# Altium PCB AllamehTabatabaei2024.PcbDoc
Units mm, origin at the board's own origin, x right, y up, seen from the top; angles counter-clockwise.
Board outline 178.5 x 119.94 mm, 2 copper layers (Top Layer, Bottom Layer); 86 components, 122 nets, 454 pads, 26 vias.
Unrouted connection lines stored in the file: 157.
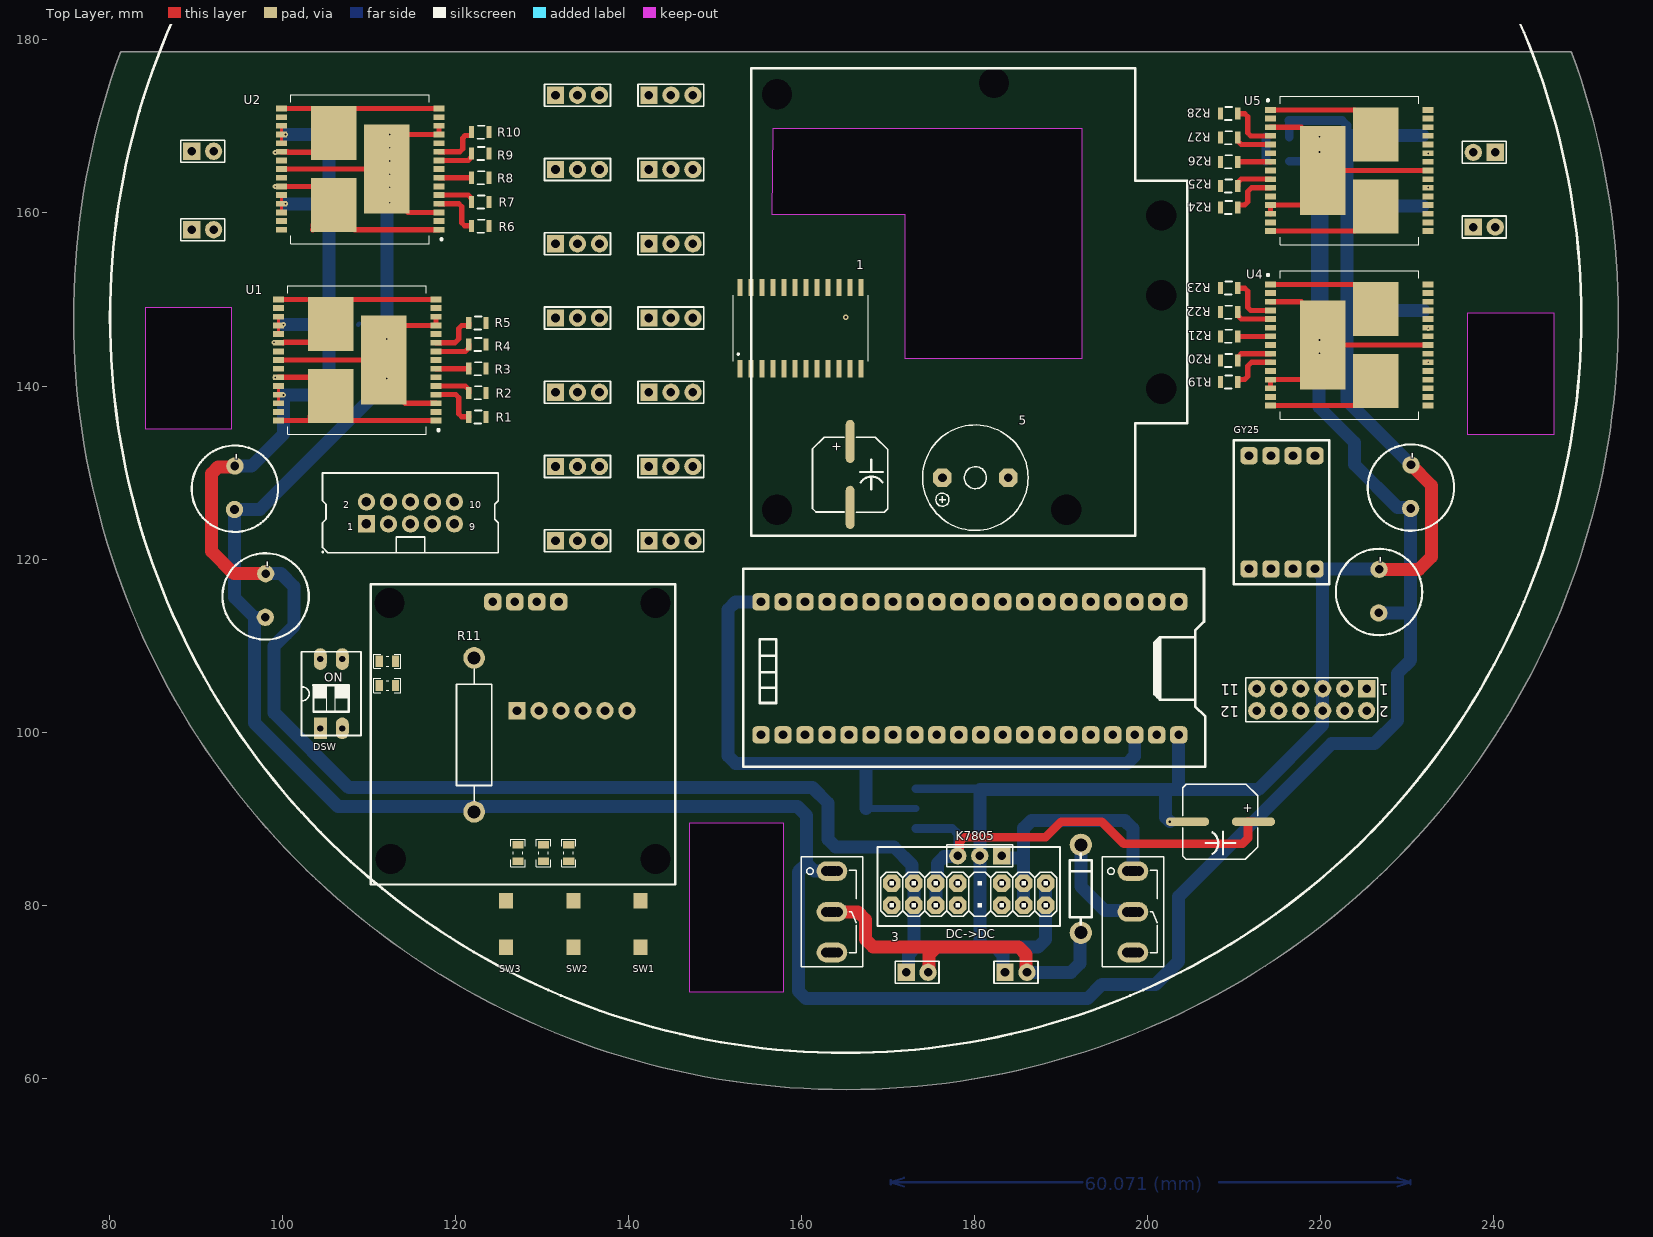
[diagram p0: Top Layer view]
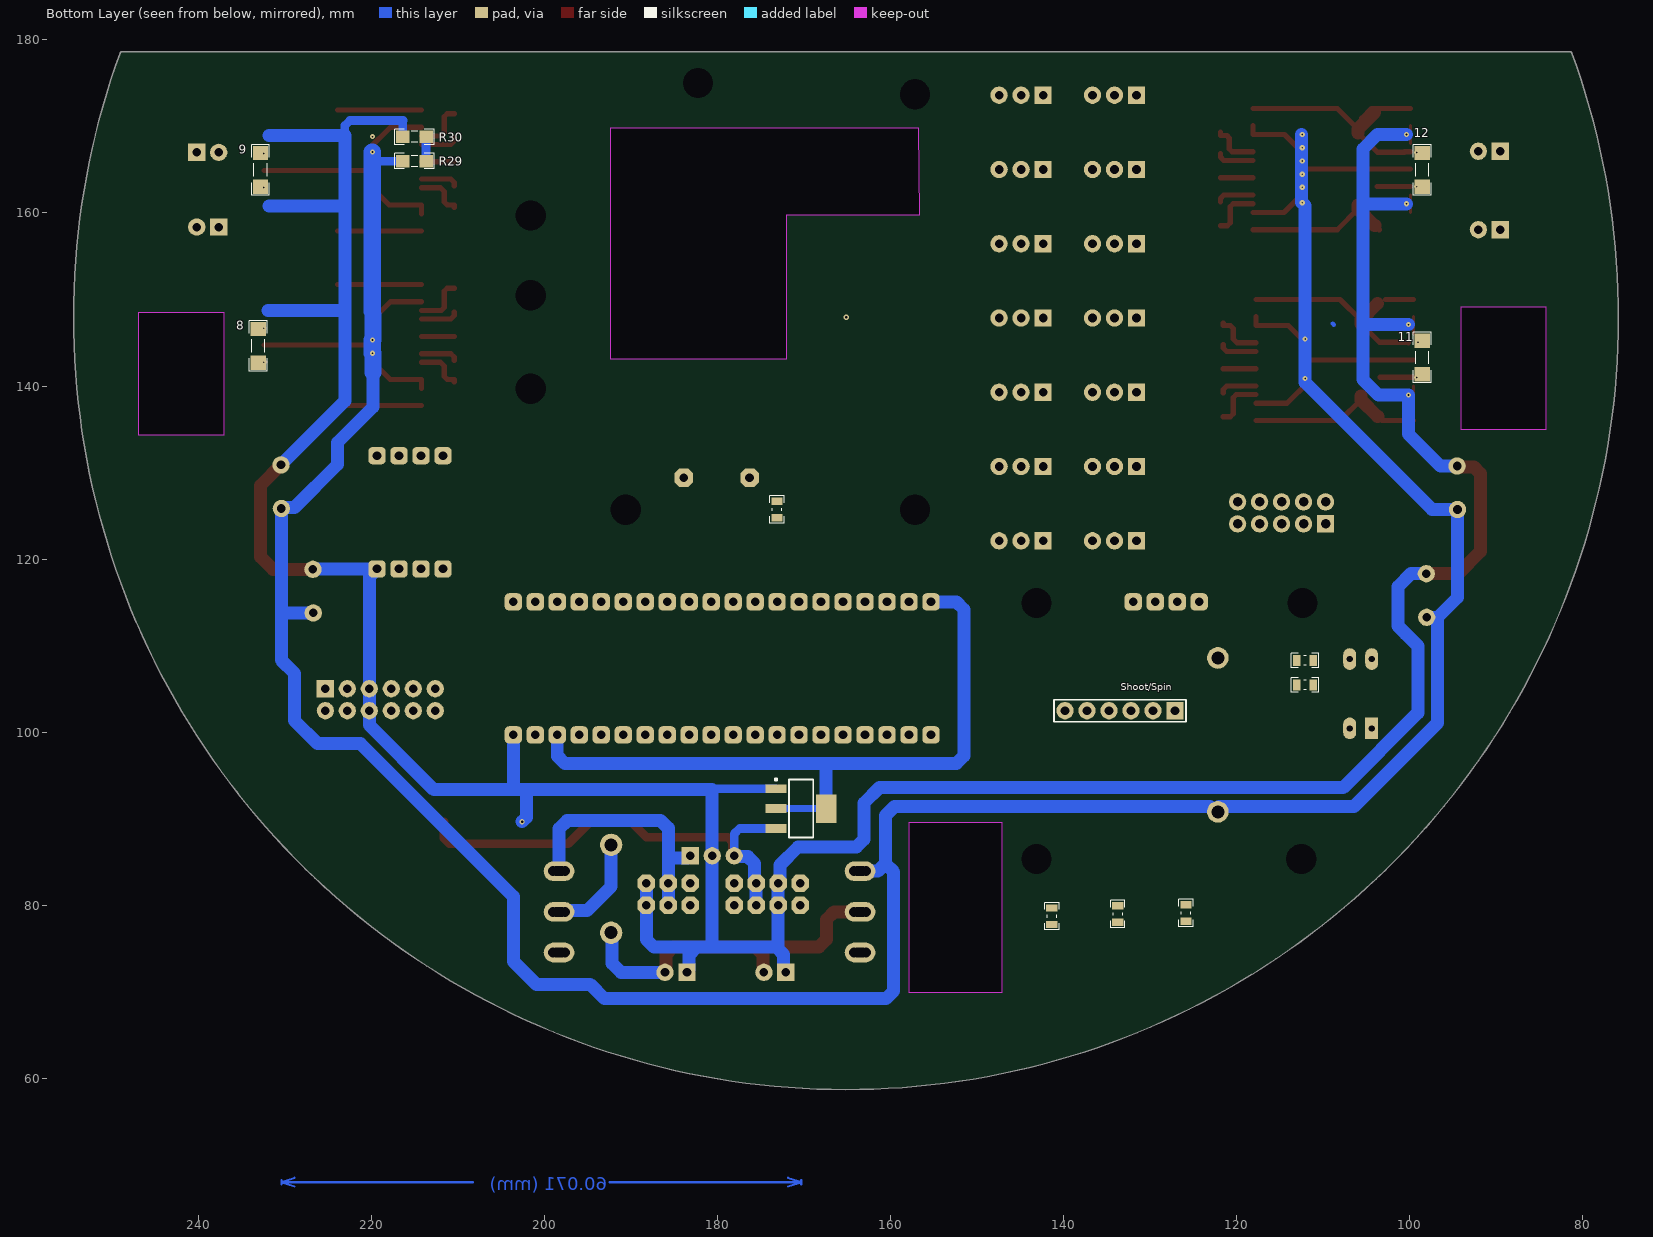
[diagram p1: Bottom Layer view, seen from below]

## Layer stack, top to bottom
Top Solder: solder mask 0.0102, Solder Resist, Dk 3.5
Top Layer: signal copper 0.0356
Dielectric 1: dielectric 0.32, FR-4, Dk 4.8
Bottom Layer: signal copper 0.0356
Bottom Solder: solder mask 0.0102, Solder Resist, Dk 3.5

## Board outline
81.27,178.484 ccw(c165.138,147.959) 254.389,147.959 ccw(c165.138,147.959) 249.006,178.484 ccw(c248.771,178.399) 248.771,178.649 81.506,178.649 ccw(c81.506,178.399)
cut-out: 156.718,169.799 192.405,169.799 192.405,143.129 171.958,143.129 171.958,159.766 156.591,159.766
cut-out: 84.201,149.098 94.107,149.098 94.107,135.001 84.201,135.001
cut-out: 147.066,89.535 157.861,89.535 157.861,69.977 147.066,69.977
cut-out: 236.982,148.463 246.888,148.463 246.888,134.366 236.982,134.366

## Design rules (kind name [scope] priority, off if disabled: settings)
Clearance [All] p1: gap=0.25 ignorepadtopadclearanceinfootprint=FALSE
Height [All] p1: minheight=0 maxheight=40 prefheight=12.7
PolygonConnect [All] p1: connectstyle=Relief reliefconductorwidth=0.254 reliefentries=4 polygonreliefangle="90 Angle" airgapwidth=0.254
RoutingVias [All] p1: holewidth=0.3 width=0.6 viastyle="Through Hole" minholewidth=0.2 minwidth=0.2 maxholewidth=1 maxwidth=1
SolderMaskExpansion [All] p1: expansion=0.102 istentingtop=FALSE
Width [All] p1: maxlimit=2 minlimit=0.2 preferedwidth=0.8
29 further rules are at their usual default settings.

## Components (designator, comment, footprint, x,y, rotation, side; value= is the part's Value field where it differs from the comment)
1 "" *SOIC-24_74HC4067(Primary) 159.893,146.685 r90 top (schematic designator U1)
3 "Comment" My_2X08 179.324,81.28 r0 top
5 "Comment" My_Buzzer 180.086,129.413 r180 top
8 "0.1uF" CAPC4817X12N 233.045,144.653 r270 bottom (schematic designator C3)
9 "0.1uF" CAPC4817X12N 232.791,164.973 r270 bottom (schematic designator C4)
11 "0.1uF" CAPC4817X12N 98.552,143.301 r90 bottom (schematic designator C4)
12 "0.1uF" CAPC4817X12N 98.552,164.973 r90 bottom (schematic designator C3)
DC->DC "" DIODE0.4 192.278,76.835 r90 top
DSW "Comment" "DIP Switch x2" 104.394,100.457 r0 top
GY25 "Comment" GY25 229.362,114.173 r90 top
K7805 "Comment" HDR1X3 183.134,85.725 r180 top
R1 "Comment" MY_RES_SMD_0805 122.539,136.42 r180 top
R2 "Comment" MY_RES_SMD_0805 122.539,139.214 r180 top
R3 "Comment" MY_RES_SMD_0805 122.539,142.008 r180 top
R4 "Comment" MY_RES_SMD_0805 122.539,144.802 r180 top
R5 "Comment" MY_RES_SMD_0805 122.539,147.279 r180 top
R6 "Comment" MY_RES_SMD_0805 122.883,158.48 r180 top
R7 "Comment" MY_RES_SMD_0805 122.883,161.274 r180 top
R8 "Comment" MY_RES_SMD_0805 122.883,164.068 r180 top
R9 "Comment" MY_RES_SMD_0805 122.883,166.862 r180 top
R10 "Comment" MY_RES_SMD_0805 122.883,169.339 r180 top
R11 "Comment" AXIAL-0.7 122.174,99.695 r90 top
R19 "Comment" MY_RES_SMD_0805 209.409,140.471 r0 top
R20 "Comment" MY_RES_SMD_0805 209.409,142.948 r0 top
R21 "Comment" MY_RES_SMD_0805 209.409,145.742 r0 top
R22 "Comment" MY_RES_SMD_0805 209.409,148.536 r0 top
R23 "Comment" MY_RES_SMD_0805 209.409,151.33 r0 top
R24 "Comment" MY_RES_SMD_0805 209.409,160.638 r0 top
R25 "Comment" MY_RES_SMD_0805 209.409,163.115 r0 top
R26 "Comment" MY_RES_SMD_0805 209.409,165.909 r0 top
R27 "Comment" MY_RES_SMD_0805 209.409,168.703 r0 top
R28 "Comment" MY_RES_SMD_0805 209.409,171.497 r0 top
R29 "1K" RESC3413X04N 215.011,165.989 r180 bottom (schematic designator R34)
R30 "1K" RESC3413X04N 215.011,168.783 r180 bottom (schematic designator R34)
Shoot/Spin "Comment" HDR1X6 127.127,102.489 r0 bottom
SW1 "Comment" SMD_ALPS_SKQMBBE010 141.411,77.851 r270 top
SW2 "Comment" SMD_ALPS_SKQMBBE010 133.634,77.851 r270 top
SW3 "Comment" SMD_ALPS_SKQMBBE010 125.857,77.851 r270 top
U1 "U4" IC_MULTIPOWERSO-30TR 108.658,143.008 r180 top (schematic designator U4)
U2 "U3" IC_MULTIPOWERSO-30TR 109.002,165.068 r180 top (schematic designator U3)
U4 "U3" IC_MULTIPOWERSO-30TR 223.29,144.742 r0 top (schematic designator U3)
U5 "U4" IC_MULTIPOWERSO-30TR 223.291,164.909 r0 top (schematic designator U4)
? "Comment" RES0805 112.091,108.291 r180 bottom
? "Comment" RES0805 112.091,105.447 r180 bottom
? "Comment" RES0805 133.096,86.045 r90 top
? "Comment" RES0805 130.175,86.045 r90 top
? "Comment" RES0805 127.254,86.045 r90 top
? "Comment" HDR1X3 131.572,173.609 r0 top
? "Comment" HDR1X3 131.572,165.027 r0 top
? "Comment" HDR1X3 131.572,156.446 r0 top
? "Comment" HDR1X3 131.572,147.864 r0 top
? "Comment" HDR1X3 131.572,139.283 r0 top
? "Comment" HDR1X3 131.572,130.701 r0 top
? "Comment" HDR1X3 131.572,122.12 r0 top
? "Comment" RES0805 173.101,125.73 r270 bottom
? "Comment" "CAP SMD 470uF" 165.608,129.794 r90 top
? "Comment" "CAP SMD 470uF" 208.407,89.662 r0 top
? "Comment" RES0805 112.141,105.41 r0 top
? "Comment" RES0805 112.141,108.204 r0 top
? "Comment" RES0805 125.857,79.121 r90 bottom
? "Comment" RES0805 133.731,78.994 r90 bottom
? "Comment" RES0805 141.351,78.74 r90 bottom
? "Comment" SOT223_N 170.328,91.186 r180 bottom
? "Comment" IDC2.54-10PIN 114.808,125.349 r0 top
? "Comment" "MY_CAP_POL 10MM" 98.064,115.801 r90 top
? "Comment" "MY_CAP_POL 10MM" 94.508,128.247 r90 top
? "Comment" "MY_CAP_POL 10MM" 230.398,128.374 r90 top
? "Comment" "MY_CAP_POL 10MM" 226.715,116.309 r90 top
? "Comment" HDR1X2 89.535,158.068 r0 top
? "Comment" HDR1X3 142.367,122.12 r0 top
? "Comment" HDR1X3 142.367,130.701 r0 top
? "Comment" HDR1X3 142.367,139.283 r0 top
? "Comment" HDR1X3 142.367,147.864 r0 top
? "Comment" HDR1X3 142.367,156.446 r0 top
? "Comment" HDR1X3 142.367,165.027 r0 top
? "Comment" HDR1X2 237.617,158.369 r0 top
? "Comment" HDR1X2 240.157,167.005 r180 top
? "Comment" HDR1X2 89.535,167.132 r0 top
? "Comment" HDR1X3 142.367,173.609 r0 top
? "Comment" "SH1106 [ GND LEFT]" 105.029,79.121 r0 top locked
? "Comment" "Switch SPDT - 500x270x1100x185 mil" 163.511,79.248 r0 top
? "Comment" HDR1X2 183.515,72.263 r0 top
? "Comment" HDR1X2 172.085,72.263 r0 top
? "Comment" "Switch SPDT - 500x270x1100x185 mil" 198.293,79.248 r0 top
? "Comment" HDR2X6 225.298,105.029 r180 top
? "Comment" "BLUE PILL" 141.986,133.731 r270 top locked

## Footprints (in the part's own frame and the unit in brackets; to place one, negate y for a bottom-side part, rotate by r counter-clockwise, add the part's x,y. Pads: shape width x height; smd on the part's side, far side on the other; paste and mask are expansions set on the pad)
*SOIC-24_74HC4067(Primary) [mm]
  rect 2x0.6 smd: P1(-4.7,7) P2(-4.7,5.73) P3(-4.7,4.46) P4(-4.7,3.19) P5(-4.7,1.92) P6(-4.7,0.65) P7(-4.7,-0.62) P8(-4.7,-1.89) P9(-4.7,-3.16) P10(-4.7,-4.43) P11(-4.7,-5.7) P12(-4.7,-6.97) P13(4.7,-6.97) P14(4.7,-5.7) P15(4.7,-4.43) P16(4.7,-3.16) P17(4.7,-1.89) P18(4.7,-0.62) P19(4.7,0.65) P20(4.7,1.92) P21(4.7,3.19) P22(4.7,4.46) P23(4.7,5.73) P24(4.7,7)
  silkscreen extent -3.8,-7.8 3.8,7.8
AXIAL-0.7 [mm] "Axial Device, Thru-Hole; 2 Leads; 0.7 in Pin Spacing"
  round 2.5 hole 1.5: 1(-8.89,0) 2(8.89,0)
  silkscreen extent -7.62,-2.03 7.62,2.03
"BLUE PILL" [mm]
  rrect50% 2x2 hole 1: 1(18.669,61.595) 2(18.669,59.055) 3(18.669,56.515) 4(18.669,53.975) 5(18.669,51.435) 6(18.669,48.895) 7(18.669,46.355) 8(18.669,43.815) 9(18.669,41.275) 10(18.669,38.735) 11(18.669,36.195) 12(18.669,33.655) 13(18.669,31.115) 14(18.669,28.575) 15(18.669,26.035) 16(18.669,23.495) 17(18.669,20.955) 18(18.669,18.415) 19(18.669,15.875) 20(18.669,13.335) 21(34.036,13.335) 22(34.036,15.875) 23(34.036,18.415) 24(34.036,20.955) 25(34.036,23.495) 26(34.036,26.035) 27(34.036,28.575) 28(34.036,31.115) 29(34.036,33.655) 30(34.036,36.195) 31(34.036,38.735) 32(34.036,41.275) 33(34.036,43.815) 34(34.036,46.355) 35(34.036,48.895) 36(34.036,51.435) 37(34.036,53.975) 38(34.036,56.515) 39(34.036,59.055) 40(34.036,61.595)
  silkscreen extent 14.86,11.3 37.72,64.64, body extent 14.86,6.22 37.72,64.64, height 18
"CAP SMD 470uF" [mm] "SMD CAP 470uF"
  oval 5x1 smd: 1(3.81,0) 2(-3.81,0)
  silkscreen extent -4.37,-4.34 4.29,4.34, body extent -4.53,-4.15 4.47,4.15, height 12
CAPC4817X12N [mm] "Chip Capacitor, 2-Leads, Body 4/80x1/70mm, IPC Medium Density-Design:Abbas Basereh"
  rect 1.65x1.75 smd: 1(-1.95,0) 2(1.95,0)
  silkscreen extent -2.92,-1.02 2.92,1.02, body extent -1.6,-0.8 1.6,0.8, height 1
DIODE0.4 [mm]
  round 2.575 hole 1.5: 17(0,0) 18(10.16,0)
  silkscreen extent 1.02,-1.27 9.14,1.27
"DIP Switch x2" [mm] "Switch DIP 2 way flat slide Thru-Hole-Design:Ali Hafizi"
  rect 1.5x2.5 hole 0.7: 1(0,0)
  oval 1.5x2.5 hole 0.7: 2(2.54,0) 3(2.54,8) 4(0,8)
  silkscreen extent -2.16,-0.82 4.71,8.83, body extent -1.98,-1.03 4.52,8.97, height 6.91
GY25 [mm]
  rrect50% 2x2 hole 1: 1(4.699,17.653) 2(4.699,15.113) 3(4.699,12.573) 4(4.699,10.033) 5(17.78,10.033) 6(17.78,12.573) 7(17.78,15.113) 8(17.78,17.653)
  silkscreen extent 2.92,8.38 19.56,19.43
HDR1X2 [mm] "Connector; Header; 2 Position"
  rect 2x2 hole 1: 1(0,0)
  round 2 hole 1: 2(2.54,0)
  silkscreen extent -1.27,-1.27 3.81,1.27
HDR1X3 [mm] "Connector; Header; 3 Position"
  rect 2x2 hole 1: 1(0,0)
  round 2 hole 1: 2(2.54,0) 3(5.08,0)
  silkscreen extent -1.27,-1.27 6.35,1.27
HDR1X6 [mm] "Connector; Header; 6 Position"
  rect 2x2 hole 1: 1(0,0)
  round 2 hole 1: 2(2.54,0) 3(5.08,0) 4(7.62,0) 5(10.16,0) 6(12.7,0)
  silkscreen extent -1.27,-1.27 13.97,1.27
HDR2X6 [mm] "Connector; Header; 6x2 Position"
  rect 2x2 hole 1: 1(0,0)
  round 2 hole 1: 2(0,2.54) 3(2.54,0) 4(2.54,2.54) 5(5.08,0) 6(5.08,2.54) 7(7.62,0) 8(7.62,2.54) 9(10.16,0) 10(10.16,2.54) 11(12.7,0) 12(12.7,2.54)
  silkscreen extent -1.27,-1.27 13.97,3.81
IC_MULTIPOWERSO-30TR [mm]
  rect 1.3x0.665 smd: 1(-9.1,7) 2(-9.1,6) 3(-9.1,5) 4(-9.1,4) 5(-9.1,3) 6(-9.1,2) 7(-9.1,1) 8(-9.1,0) 9(-9.1,-1) 10(-9.1,-2) 11(-9.1,-3) 12(-9.1,-4) 13(-9.1,-5) 14(-9.1,-6) 15(-9.1,-7) 16(9.1,-7) 17(9.1,-6) 18(9.1,-5) 19(9.1,-4) 20(9.1,-3) 21(9.1,-2) 22(9.1,-1) 23(9.1,0) 24(9.1,1) 25(9.1,2) 26(9.1,3) 27(9.1,4) 28(9.1,5) 29(9.1,6) 30(9.1,7)
  rect 5.25x10.3 smd paste-6: HS1(-3.05,0)
  rect 5.25x6.23 smd paste-4: HS2(3.05,4.165) HS3(3.05,-4.165)
  silkscreen extent -9.5,-8.6 8,8.6
IDC2.54-10PIN [mm] "Connector; IDC, Low Profile Male Header, Thru-Hole; 10 Position; Vertical; Pitch 2.54 mm; 20.32 x 9.2 x 9.45 mm (LxWxH) DESIGNER : ABBAS BASEREH"
  rect 2x2 hole 1.1: 1(-5.08,-1.27)
  round 2 hole 1.1: 2(-5.08,1.27) 3(-2.54,-1.27) 4(-2.54,1.27) 5(0,-1.27) 6(0,1.27) 7(2.54,-1.27) 8(2.54,1.27) 9(5.08,-1.27) 10(5.08,1.27)
  silkscreen extent -10.16,-4.6 10.16,4.6, body extent -10.15,-4.25 10.15,4.6, height 9.17
My_2X08 [mm]
  oct 2x2 hole 1: 1(-8.89,-1.27) 2(-8.89,1.27) 3(-6.35,-1.27) 4(-6.35,1.27) 5(-3.81,-1.27) 6(-3.81,1.27) 7(-1.27,-1.27) 8(-1.27,1.27) 11(3.81,-1.27) 12(3.81,1.27) 13(6.35,-1.27) 14(6.35,1.27) 15(8.89,-1.27) 16(8.89,1.27)
  silkscreen extent -10.16,-2.54 10.16,2.54, body extent -10.21,-2.6 10.11,2.48, height 5.94
My_Buzzer [mil]
  oct 85x85 hole 40: +(150,0) -(-150,0)
  silkscreen extent -240,-240 240,240, body extent -235,-230 373,242, height 177
"MY_CAP_POL 10MM" [mm]
  round 2 hole 1: +(-2.517,0.02) -(2.517,-0.02)
  silkscreen extent -5.09,-5 4.89,4.97, body extent -5.13,-5.07 5.03,5.09, height 10.16
MY_RES_SMD_0805 [mm]
  rect 0.6x1.4 smd: 1(-1,0) 2(1,0)
  silkscreen extent -0.5,-0.75 0.35,0.75, body extent -1,-0.62 1,0.63, height 0.78
RES0805 [mm] "Chip Resistor, 2-Leads, Body 2/00x1/25mm, IPC Medium Density DESIGNER:ABBAS BASEREH"
  rect 0.85x1.3 smd: 1(-0.95,0) 2(0.95,0)
  silkscreen extent -1.58,-0.82 1.58,0.82, body extent -1.02,-0.65 1.02,0.65, height 0.5
RESC3413X04N [mm] "Chip Resistor, 2-Leads, Body 3/40x1/30mm, IPC Medium Density-Design:Abbas Basereh"
  rect 1.55x1.45 smd: 1(-1.35,0) 2(1.35,0)
  silkscreen extent -2.29,-0.89 2.29,0.89, body extent -1.25,-0.62 1.25,0.62, height 0.79
"SH1106 [ GND LEFT]" [mil]
  rrect50% 78.74x78.74 hole 39.37: 1(860,1415) 2(760,1415) 3(960,1415) 4(1060,1415)
  round 60 hole 137.79: 139(1500,1410) 140(290,1410) 141(295,245) 142(1500,245)
  silkscreen extent 205,130 1590,1495, body extent 201,126 1619,1465, height 378
SMD_ALPS_SKQMBBE010 [mm] "Vertical 6.0X3.5 mm Compact Type (SurfaceMount) SKQM Series ; Height 5.0 mm ; 50,000 Cycles ; 1.57N Force"
  rect 1.8x1.6 smd mask-1.27: 1(-2.7,0) 2(2.7,0)
  body extent -3.15,-1.75 3.15,1.75, height 5.03
SOT223_N [mm] "SOT223, 4-Leads, Body 6.5x3.5mm, Pitch 2.3mm, Lead Span 7mm, IPC Medium Density"
  rect 2.4x1 smd: 1(-2.9,2.3) 2(-2.9,0) 3(-2.9,-2.3)
  rect 2.4x3.3 smd: 4(2.9,0)
  silkscreen extent -3.03,-3.35 1.4,3.47, body extent -1.85,-3.35 1.85,3.35, height 1.7
"Switch SPDT - 500x270x1100x185 mil" [mil]
  round 40 hole 45: 1(-27.56,-185.04) 1(-11.81,-185.04) 1(11.81,-185.04) 1(27.56,-185.04) 2(-27.56,0) 2(-11.81,0) 2(11.81,0) 2(27.56,0) 3(-27.56,185.04) 3(-11.81,185.04) 3(11.81,185.04) 3(27.56,185.04)
  oval 140x90 hole 45: 1(0,-185) 2(0,0) 3(0,185)
  silkscreen extent -140,-250 140,250, body extent -134,-250 136,250, height 1127

## Part data
1: library part 74HC4067, "Analog Switch/Analog Multiplexer Single 16:1 24-Pin SSOP T/R", Package=None, Availability="Not in stock", Check_prices=https://www.snapeda.com/parts/74HC4067/Nexperia/view-part/?ref=eda, MF=Nexperia, MP=74HC4067, Price=None, SnapEDA_Link=https://www.snapeda.com/parts/74HC4067/Nexperia/view-part/?ref=snap
8 9 11 12: library part "CAP SMD 1206", "CAP 1206", Data=16-12-2016, Desc.="CAP SMD 1206", Designer="Abbas Basereh"
R29 R30: library part "RES 0805 0.125W", "RES 0805", Data=16-12-2016, Desc.="RES SMD 0805", Designer="Abbas Basereh"
U1 U2 U4 U5: library part VNH5019A-E, "Motor Driver Power MOSFET Parallel, PWM MultiPowerSO-30", Package="PowerSOP-30 STMicroelectronics", Availability=Unavailable, MF=STMicroelectronics, MP=VNH5019A-E, Price=None, SnapEDA_Link=https://www.snapeda.com/parts/VNH5019A-E/STMicroelectronics/view-part/231156/?ref=snap

## Free pads (board coordinates)
  round 0 hole 3.5: 1(157.174,125.705) 1(157.174,173.705) 1(182.245,175.006) 1(190.574,125.705) 1(201.549,150.495) 1(201.574,139.705) 1(201.574,159.705)

## Via types
v1: diameter 0.6, hole 0.2, Top Layer to Bottom Layer, 24 vias
v2: diameter 0.6, hole 0.3, Top Layer to Bottom Layer, 2 vias

## Nets (pads, with @x,y where several pads share a name; then routed paths per layer and width w, separated by ;. In a path a pad name is that pad's centre, name@x,y a point inside that pad or via, vN(x,y) a via of type N, cw(c..) or ccw(c..) an arc to the next point about the centre after c; other vN are vias at no path point)
3.3V: ?.1@165.608,133.604
5V: 3.5 3.6 ?.1@212.217,89.662 ?.3@173.228,88.886 ?.18 K7805.3 | length 55.1
  Top Layer w1: K7805.3 178.245,85.916 178.245,87.298 178.831,87.884 188.214,87.884 189.992,89.662 194.691,89.662 197.231,87.122 210.947,87.122 211.582,87.757 211.582,89.662 ?.1@212.217,89.662
  Bottom Layer w1: ?.3@173.228,88.886 177.433,88.886 178.054,88.265 K7805.3
  Bottom Layer w1.5: 3.5 3.6 175.703,82.739 175.703,84.846 176.486,85.629 177.958,85.629 K7805.3
12V: ?.3@162.811,83.948 ?.3@163.211,83.948 ?.3@163.511,83.947 ?.3@163.811,83.948 ?.3@164.211,83.948 ?.+ R11.1 R29.1 Shoot/Spin.1 U1.3 U1.12 U1.13 U1.23 U1.HS1 U2.3 U2.12 U2.13 U2.23 U2.HS1 U4.3 U4.12 U4.13 U4.23 U4.HS1 U5.3 U5.12 U5.13 U5.23 U5.HS1 | length 461.9
  Top Layer w0.6: U1.23 U1.HS1 111.708,144.683 114.033,147.008 U1.12 U1.13 ; U2.23 U2.HS1 ; U1.HS1@111.708,140.875 111.708,140.483 114.183,138.008 U1.3 ; U1.HS1@111.708,145.068 v1(112.087,145.447) ; U2.3 114.527,160.068 112.052,162.543 U2.HS1 ; U2.13 U2.12 114.486,169.068 112.052,166.634 U2.HS1 ; U4.13 U4.12 217.806,140.742 220.24,143.176 U4.HS1 U4.23 ; U4.3 217.765,149.742 220.24,147.267 U4.HS1@220.24,145.325 ; U5.13 U5.12 217.916,160.909 220.241,163.234 U5.HS1 ; U5.3 217.766,169.909 220.241,167.434 U5.HS1 ; U5.23 U5.HS1
  Top Layer w1.5: ?.3@163.811,83.948 ?.3@164.084,84.221
  Bottom Layer w1: R29.1 219.39,165.989 219.861,165.518
  Bottom Layer w1.5: 96.965,113.093 94.488,115.57 94.488,125.73 97.409,125.73 112.087,140.408 v1(112.087,140.875) v1(112.087,145.447) 112.087,160.839 v1(112.431,161.183) ; ?.+@98.044,113.284 97.155,113.284 96.774,112.903 96.774,101.092 106.426,91.44 R11.1@122.047,91.44 ; v1@112.494,161.183 v1@112.494,169.057 ; R11.1@122.047,91.267 122.318,90.996 122.636,90.996 123.08,91.44 159.512,91.44 160.591,90.361 160.591,84.827 ; ?.3@163.811,83.948 163.211,83.948 162.811,83.948 161.469,83.948 160.591,84.827 ; 219.798,141.605 219.798,137.58 223.901,133.477 223.901,130.937 228.885,125.953 230.282,125.953 230.378,125.857 230.378,113.538 ; ?.+@226.695,113.792 230.124,113.792 230.378,113.538 ; 160.591,84.827 159.639,83.875 159.639,70.094 160.518,69.215 193.04,69.215 194.691,70.866 200.914,70.866 203.581,73.533 203.581,81.026 221.234,98.679 226.187,98.679 228.854,101.346 228.854,106.807 230.378,108.331 230.378,113.538
  Bottom Layer w2: 219.798,141.605 v1@219.798,143.801 ; v1@219.798,145.325 219.798,148.246 ; v1(219.861,143.801) v1(219.861,145.325) ; 219.861,148.627 219.861,165.518 v1(219.861,167.042)
  other v1: 112.431,162.961 112.431,164.485 112.431,166.009 112.431,167.533 219.861,168.82 112.431,169.057
ADC0: 1.P9
ADC1: 1.P8
ADC2: 1.P7 ?.3@147.447,122.12
ADC3: 1.P6 ?.3@136.652,122.12
ADC4: 1.P5 ?.3@147.447,130.701
ADC5: 1.P4 ?.3@136.652,130.701
ADC6: 1.P3 ?.3@147.447,139.283
ADC7: 1.P2 ?.3@136.652,139.283
ADC8: 1.P23 ?.3@136.652,147.864
ADC9: 1.P22 ?.3@147.447,147.864
ADC10: 1.P21 ?.3@136.652,156.446
ADC11: 1.P20 ?.3@147.447,156.446
ADC12: 1.P19 ?.3@136.652,165.027
ADC13: 1.P18 ?.3@147.447,165.027
ADC14: 1.P17 ?.3@136.652,173.609
ADC15: 1.P16 ?.3@147.447,173.609
ADCOUT: 1.P1 ?.25
ADD0: 1.P10 ?.31
ADD1: 1.P11 ?.32
ADD2: 1.P14 ?.33
ADD3: 1.P13 ?.34
BAT_Volt: R29.2 R30.2 | length 2.8
  Bottom Layer w0.6: R30.2@213.611,168.783 R30.2
  Bottom Layer w1: R29.2 R30.2
buz: 5.+ ?.1@173.101,126.68
Buzzer: ?.2@173.101,124.78 ?.13
DIPSW1: 
DIPSW2: 
ENA_1: R7.2 U2.5 | length 4.3
  Top Layer w0.6: U2.5 121.489,162.068 121.883,161.674 R7.2
ENA_2: R2.2 U1.5 | length 4.3
  Top Layer w0.6: U1.5 121.145,140.008 121.539,139.614 R2.2
ENA_3: R22.2 U4.5 | length 4.3
  Top Layer w0.6: R22.2 210.409,148.136 210.803,147.742 U4.5
ENA_4: R27.2 U5.5 | length 4.3
  Top Layer w0.6: R27.2 210.409,168.303 210.803,167.909 U5.5
ENB_1: R9.2 U2.9 | length 4.3
  Top Layer w0.6: U2.9 121.489,166.068 121.883,166.462 R9.2
ENB_2: R4.2 U1.9 | length 4.3
  Top Layer w0.6: U1.9 121.145,144.008 121.539,144.402 R4.2
ENB_3: R20.2 U4.9 | length 4.3
  Top Layer w0.6: R20.2 210.409,143.348 210.803,143.742 U4.9
ENB_4: R25.2 U5.9 | length 4.3
  Top Layer w0.6: R25.2 210.409,163.515 210.803,163.909 U5.9
GND: 1.P12 1.P15 3.3 3.4 3.15 3.16 5.- ?.1@113.041,105.447 ?.1@113.041,108.291 ?.1@125.857,78.171 ?.1@126.873,115.062 ?.1@133.731,78.044 ?.1@141.351,77.79 ?.1@172.085,72.263 ?.1@173.228,93.486 ?.1@183.515,72.263 ?.2@134.112,122.12 ?.2@134.112,130.701 ?.2@134.112,139.283 ?.2@134.112,147.864 ?.2@134.112,156.446 ?.2@134.112,165.027 ?.2@134.112,173.609 ?.2@144.907,122.12 ?.2@144.907,130.701 ?.2@144.907,139.283 ?.2@144.907,147.864 ?.2@144.907,156.446 ?.2@144.907,165.027 ?.2@144.907,173.609 ?.2@165.608,125.984 ?.2@204.597,89.662 ?.5@220.218,105.029 ?.6@114.808,126.619 ?.6@220.218,102.489 ?.8@117.348,126.619 ?.10@119.888,126.619 ?.19 ?.39 ?.40 ?.- GY25.4 K7805.2 R30.1 Shoot/Spin.3 U1.18 U1.19 U1.20 U1.26 U1.27 U1.28 U2.18 U2.19 U2.20 U2.26 U2.27 U2.28 U4.18 U4.19 U4.20 U4.26 U4.27 U4.28 U5.18 U5.19 U5.20 U5.26 U5.27 U5.28 | length 429.6
  Top Layer w0.381: U1.28 U1.27 U1.26 ; U1.20 U1.19 U1.18 ; U2.28 U2.27 U2.26 ; U2.20 U2.19 U2.18
  Top Layer w1.5: ?.-@94.528,130.765 94.433,130.669 92.604,130.669 91.821,129.886 91.821,120.904 94.406,118.319 ?.-@98.084,118.319 ; ?.-@226.735,118.827 231.349,118.827 232.791,120.269 232.791,128.519 ?.-@230.418,130.892
  Bottom Layer w0.5: 108.785,147.098 108.912,147.225
  Bottom Layer w1: ?.1@173.228,93.486 180.594,93.486 ; 202.071,93.373 202.071,93.486 ; R30.1 216.361,170.608 216.281,170.688 222.451,170.688 223.036,170.102 223.036,168.947
  Bottom Layer w1.5: ?.-@94.528,130.765 96.475,130.765 100.149,134.439 v1(100.149,138.97) 103.632,138.97 105.41,140.748 105.41,147.066 ; ?.-@98.084,118.319 99.867,118.319 101.346,116.84 101.346,112.258 100.467,111.379 100.457,111.379 99.06,109.982 99.06,102.235 107.696,93.599 161.29,93.599 163.068,91.821 163.068,87.62 163.947,86.741 170.688,86.741 172.785,84.644 172.785,82.739 3.4 3.3 172.974,75.428 173.218,75.184 ; v1(100.149,147.098) 105.378,147.098 105.41,147.066 ; v1(100.366,161.056) 105.41,161.056 ; v1(100.366,169.057) 103.739,169.057 105.41,167.386 105.41,161.056 ; ?.1@172.085,72.263 172.335,72.513 172.335,74.301 173.218,75.184 ; ?.1@183.515,72.263 183.265,72.513 183.265,74.305 182.386,75.184 ; 3.16 3.15 188.214,76.063 187.335,75.184 182.386,75.184 ; v2(202.565,89.662) 202.071,90.156 202.071,93.373 ; ?.40 203.581,93.373 ; GY25.4 GY25.4@219.352,118.849 ; ?.-@226.735,118.827 226.713,118.849 GY25.4@219.352,118.849 ; ?.-@230.418,130.892 223.036,138.273 223.036,148.627 ; 231.799,160.819 223.163,160.819 223.036,160.692 ; 231.799,168.947 223.036,168.947 223.036,160.692 ; 231.926,148.754 223.163,148.754 223.036,148.627 ; 105.41,147.066 105.41,161.056 ; 173.218,75.184 180.467,75.184 ; 180.467,75.184 182.386,75.184 ; 180.467,75.184 180.594,75.311 K7805.2 180.594,93.373 202.071,93.373 ; 202.071,93.373 203.581,93.373 ; 203.581,93.373 212.753,93.373 220.218,100.838 220.218,105.029 220.218,117.983 GY25.4@219.352,118.849 ; 223.036,148.627 223.036,160.692
INA1: ?.9@183.261,115.062 R6.1
INA2: ?.12@175.641,115.062 R1.1
INA3: ?.2@201.041,115.062 R23.1
INA4: ?.4@195.961,115.062 R28.1
INA_1: R6.2 U2.4 | length 6
  Top Layer w0.6: U2.4 120.388,161.068 120.74,160.717 120.74,158.865 121.091,158.513 121.883,158.513 R6.2
INA_2: R1.2 U1.4 | length 6
  Top Layer w0.6: U1.4 120.045,139.008 120.396,138.657 120.396,136.805 120.747,136.454 121.539,136.454 R1.2
INA_3: R23.2 U4.4 | length 6
  Top Layer w0.6: R23.2 210.409,151.296 211.201,151.296 211.552,150.945 211.552,149.093 211.904,148.742 U4.4
INA_4: R28.2 U5.4 | length 6
  Top Layer w0.6: R28.2 210.409,171.463 211.201,171.463 211.552,171.112 211.552,169.26 211.904,168.909 U5.4
INB1: ?.8@185.801,115.062 R10.1
INB2: ?.11@178.181,115.062 R5.1
INB3: ?.1@203.581,115.062 R19.1
INB4: ?.3@198.501,115.062 R24.1
INB_1: R10.2 U2.10 | length 5.7
  Top Layer w0.6: U2.10 120.515,167.068 120.867,167.419 120.867,168.673 121.133,168.939 121.883,168.939 R10.2
INB_2: R5.2 U1.10 | length 5.6
  Top Layer w0.6: U1.10 119.963,145.008 120.396,145.441 120.396,146.647 120.747,146.998 121.539,146.998 R5.2
INB_3: R19.2 U4.10 | length 5.7
  Top Layer w0.5: U4.10@214.108,142.659 U4.10
  Top Layer w0.6: R19.2 210.409,140.752 211.201,140.752 211.552,141.103 211.552,142.309 211.985,142.742 U4.10
INB_4: R24.2 U5.10 | length 5.6
  Top Layer w0.6: R24.2 210.409,160.919 211.201,160.919 211.552,161.27 211.552,162.476 211.985,162.909 U5.10
LED1: 
LED2: 
MA1: 
MA2: 
MA3: 
MA4: 
MB1: 
MB2: 
MB3: 
MB4: 
MOTORS_EN: 
OUT_1A: 11.1 ?.1@89.535,158.068 U1.1 U1.25 U1.30 U1.HS2 | length 24.6
  Top Layer w0.6: U1.30 102.773,136.008 103.173,136.008 U1.HS2@103.643,136.478 ; U1.25 U1.HS2@103.443,141.008 ; U1.HS2@105.608,138.443 108.042,136.008 U1.1
  Top Layer w1.5: U1.HS2@103.643,136.478 103.733,136.478 105.608,138.353 105.608,138.443 U1.HS2
  other v1: 99.187,140.985
OUT_1B: 11.2 ?.2@92.075,158.068 U1.15 U1.16 U1.21 U1.HS3 | length 25.9
  Top Layer w0.6: U1.16 102.032,150.008 102.773,150.008 ; U1.21@100.15,145.008 100.208,145.066 103.501,145.066 U1.HS3 ; U1.HS3@105.608,147.574 108.042,150.008 U1.15
  Top Layer w1.5: U1.HS3@103.733,149.538 105.608,147.663 105.608,147.574 U1.HS3
  other v1: 99.06,145.049
OUT_2A: 12.1 ?.1@89.535,167.132 U2.1 U2.25 U2.30 U2.HS2 | length 23.7
  Top Layer w0.6: U2.25 U2.HS2@103.787,163.068 ; U2.HS2@103.517,158.068 103.987,158.538 105.952,160.503 108.386,158.068 U2.1
  Top Layer w1.5: U2.HS2@103.987,158.538 104.077,158.538 105.952,160.413 105.952,160.503 U2.HS2
  other v1: 99.187,163.043
OUT_2B: 12.2 ?.2@92.075,167.132 U2.15 U2.16 U2.21 U2.HS3 | length 29.4
  Top Layer w0.6: U2.21 100.62,167.068 ; U2.16 104.411,172.068 U2.HS3@105.537,170.942 ; 100.62,167.025 103.744,167.025 U2.HS3 ; U2.HS3@105.952,169.634 108.386,172.068 U2.15
  Top Layer w1.5: U2.HS3@104.077,171.598 105.952,169.723 105.952,169.634 U2.HS3
  other v1: 99.187,166.98
OUT_3A: 9.1 ?.2@237.617,167.005 U5.1 U5.25 U5.30 U5.HS2 | length 9.7
  Top Layer w0.6: U5.1 U5.HS2@223.906,171.909
  other v1: 232.41,166.878
OUT_3B: 9.2 ?.1@240.157,167.005 U5.15 U5.16 U5.21 U5.HS3 | length 9.7
  Top Layer w0.6: U5.15 U5.HS3@223.906,157.909
  other v1: 232.41,162.941
OUT_4A: 8.1 ?.1@237.617,158.369 U4.1 U4.25 U4.30 U4.HS2 | length 9.7
  Top Layer w0.6: U4.1 U4.HS2@223.906,151.742
  other v1: 232.41,146.685
OUT_4B: 8.2 ?.2@240.157,158.369 U4.15 U4.16 U4.21 U4.HS3 | length 9.8
  Top Layer w0.6: U4.15 U4.HS3@223.906,137.742 ; U4.21@232.283,142.748 232.289,142.742 U4.21
  other v1: 232.41,142.748
PWM1: ?.16 R8.1
PWM2: ?.17 R3.1
PWM3: ?.15 R21.1
PWM4: ?.14 R26.1
PWM_1: R8.2 U2.7 | length 3.8
  Top Layer w0.6: U2.7 R8.2
PWM_2: R3.2 U1.7 | length 3.8
  Top Layer w0.6: U1.7 R3.2
PWM_3: R21.2 U4.7 | length 3.8
  Top Layer w0.6: R21.2 U4.7
PWM_4: R26.2 U5.7 | length 3.8
  Top Layer w0.6: R26.2 U5.7
RES1: 
RES2: 
RES3: 
RES4: 
RES5: 
RX: ?.7@188.341,115.062 GY25.3
RX2: ?.7@217.678,105.029 ?.8@217.678,102.489 ?.28
S3: 
S4: 
S5: 
S6: 
S7: 
S8: 
S9: 
S10: 
S11: 
S12: 
S13: 
S14: 
S15: 
SCL: ?.3@129.413,115.062 ?.5@114.808,124.079 ?.35
SDA: ?.4@131.953,115.062 ?.9@119.888,124.079 ?.36
shoot: ?.10@180.721,115.062 Shoot/Spin.6
spin: ?.5@193.421,115.062 Shoot/Spin.5
SW1: ?.2@133.096,86.995 ?.30
SW2: ?.2@130.175,86.995 ?.29
SW3: ?.2@127.254,86.995 ?.26
SW4: ?.2@113.091,108.204 ?.23
SW5: ?.2@113.091,105.41 ?.24
SWR1: ?.1@133.096,85.095 ?.2@141.351,79.69 SW1.1
SWR2: ?.1@130.175,85.095 ?.2@133.731,79.944 SW2.1
SWR3: ?.1@127.254,85.095 ?.2@125.857,80.071 SW3.1
SWR4: ?.1@111.191,108.204 ?.2@111.141,108.291 DSW.3
SWR5: ?.1@111.191,105.41 ?.2@111.141,105.447 DSW.4
TX: ?.6@190.881,115.062 GY25.2
TX2: ?.9@215.138,105.029 ?.10@215.138,102.489 ?.27
VBat: ?.2@162.811,79.248 ?.2@163.211,79.248 ?.2@163.511,79.248 ?.2@163.811,79.248 ?.2@164.211,79.248 ?.2@174.625,72.263 ?.2@186.055,72.263 DC->DC.17 | length 41.4
  Top Layer w1.5: ?.2@163.511,79.248 163.811,79.248 164.211,79.248 166.497,79.248 167.386,78.359 167.386,76.073 168.275,75.184 175.631,75.184 ; ?.2@174.625,72.263 174.721,72.359 174.721,74.274 175.631,75.184 ; ?.2@186.055,72.263 185.959,72.359 185.959,74.305 185.081,75.184 175.631,75.184
  Bottom Layer w1.5: ?.2@186.055,72.263 191.135,72.263 192.17,73.298 192.17,76.727 DC->DC.17
VCC: 1.P24 ?.1@131.572,122.12 ?.1@131.572,130.701 ?.1@131.572,139.283 ?.1@131.572,147.864 ?.1@131.572,156.446 ?.1@131.572,165.027 ?.1@131.572,173.609 ?.1@142.367,122.12 ?.1@142.367,130.701 ?.1@142.367,139.283 ?.1@142.367,147.864 ?.1@142.367,156.446 ?.1@142.367,165.027 ?.1@142.367,173.609 ?.2@109.728,126.619 ?.2@124.333,115.062 ?.2@173.228,91.186 ?.3@222.758,105.029 ?.4@167.428,91.186 ?.4@222.758,102.489 ?.20 ?.38 DSW.1 DSW.2 GY25.1 R2.1 R4.1 R7.1 R9.1 R20.1 R22.1 R25.1 R27.1 Shoot/Spin.4 SW1.2 SW2.2 SW3.2 | length 82.1
  Bottom Layer w0.8: ?.4@167.428,91.186 ?.2@173.228,91.186
  Bottom Layer w1.5: ?.20 152.39,115.062 151.511,114.183 151.511,97.272 152.39,96.393 167.428,96.393 197.622,96.393 198.501,97.272 ?.38 ; ?.4@167.428,91.186 167.428,96.266
VIN: ?.2@197.593,79.248 ?.2@197.993,79.248 ?.2@198.293,79.248 ?.2@198.593,79.248 ?.2@198.993,79.248 DC->DC.18 | length 12.1
  Bottom Layer w1.5: DC->DC.18 192.278,82.169 195.049,79.398 198.143,79.398 ?.2@198.293,79.248
VSHOOT: R11.2 Shoot/Spin.2
VSS: 3.13 3.14 ?.3@197.593,83.948 ?.3@197.993,83.948 ?.3@198.293,83.947 ?.3@198.593,83.948 ?.3@198.993,83.948 K7805.1 | length 29.8
  Bottom Layer w1.5: K7805.1 183.384,85.475 185.67,85.475 185.674,85.471 ; 3.13 3.14 185.674,85.471 ; ?.3@198.293,83.947 198.293,88.854 197.358,89.789 186.553,89.789 185.674,88.91 185.674,85.471
pads on no net: 3.1 3.2 3.7 3.8 3.11 3.12 ?.1@109.728,124.079 ?.1@162.811,74.548 ?.1@163.211,74.548 ?.1@163.511,74.549 ?.1@163.811,74.548 ?.1@164.211,74.548 ?.1@197.593,74.548 ?.1@197.993,74.548 ?.1@198.293,74.549 ?.1@198.593,74.548 ?.1@198.993,74.548 ?.1@225.298,105.029 ?.2@225.298,102.489 ?.3@112.268,124.079 ?.4@112.268,126.619 ?.7@117.348,124.079 ?.11@212.598,105.029 ?.12@212.598,102.489 ?.21 ?.22 ?.37 ?.139 ?.140 ?.141 ?.142 GY25.5 GY25.6 GY25.7 GY25.8 U1.2 U1.6 U1.8 U1.11 U1.14 U1.17 U1.22 U1.24 U1.29 U2.2 U2.6 U2.8 U2.11 U2.14 U2.17 U2.22 U2.24 U2.29 U4.2 U4.6 U4.8 U4.11 U4.14 U4.17 U4.22 U4.24 U4.29 U5.2 U5.6 U5.8 U5.11 U5.14 U5.17 U5.22 U5.24 U5.29
copper on no net: | length 51.7
  Bottom Layer w0.254: 170.307,47.752 170.307,48.26 ; 171.831,47.498 170.307,48.006 ; 171.831,48.514 170.307,48.006 ; 192.446,48.006 170.307,48.006 ; 208.239,48.006 230.378,48.006 ; 228.854,47.498 230.378,48.006 ; 228.854,48.514 230.378,48.006 ; 230.378,47.752 230.378,48.26
  other v2: 165.1,147.955

## Other copper
Bottom Layer:
  text "60.071 (mm)" at 192.7,47.092 h1.52

## Silkscreen, mask and mechanical layers (free items; w line width, h text height)
Top Overlay:
  circle w0.3: c165.1,147.955 r85
  lines w0.254: 168.783,77.597 168.783,86.741 189.865,86.741 189.865,77.597 168.783,77.597
  lines w0.3: 154.174,122.705 198.574,122.705 198.574,135.705 204.574,135.705 204.574,163.705 198.574,163.705 198.574,176.705 154.174,176.705 154.174,122.705
Mechanical 1:
  lines w0.3: 84.201,135.001 94.107,135.001 94.107,149.098 84.201,149.098 84.201,135.001 ; 147.066,69.977 147.066,89.535 148.209,89.535 157.861,89.535 157.861,69.977 147.066,69.977 ; 156.591,159.766 171.958,159.766 171.958,143.129 192.405,143.129 192.405,169.799 156.591,169.799 156.591,159.766 ; 236.982,134.366 236.982,148.463 246.888,148.463 246.888,134.366 236.982,134.366
  lines w0.5: 81.506,178.399 ccw(c165.138,147.959) 248.771,178.399 81.506,178.399

## Text inside footprints (layer, text, board x,y; h text height)
DSW: Top Overlay "ON" at 104.834,105.817 h1
?: Top Overlay "+" at 164.508,132.394 h1 r90
?: Top Overlay "+" at 211.007,90.762 h1
?: Top Overlay "2" at 107.02,125.869 h0.8; Top Overlay "1" at 107.52,123.329 h0.8; Top Overlay "10" at 121.596,125.869 h0.8; Top Overlay "9" at 121.596,123.329 h0.8
?: Top Overlay "-" at 98.818,119.048 h1.52 r90
?: Top Overlay "-" at 95.262,131.494 h1.52 r90
?: Top Overlay "-" at 231.152,131.621 h1.52 r90
?: Top Overlay "-" at 227.469,119.556 h1.52 r90
?: Top Overlay "12" at 210.566,102.997 h1.27 r180; Top Overlay "1" at 209.55,105.537 h1.27 r180; Top Overlay "1" at 210.566,105.537 h1.27 r180; Top Overlay "1" at 227.838,105.537 h1.27 r180; Top Overlay "2" at 227.838,102.997 h1.27 r180